# Altium PCB RT5728MainDriver20181215V0.01.PcbDoc (part 1 of 2)
Units mil, origin at the board's own origin, x right, y up, seen from the top; angles counter-clockwise.
Board outline 3937.01 x 2755.91 mil, 2 copper layers (Top Layer, Bottom Layer); 141 components, 77 nets, 350 pads, 543 vias.
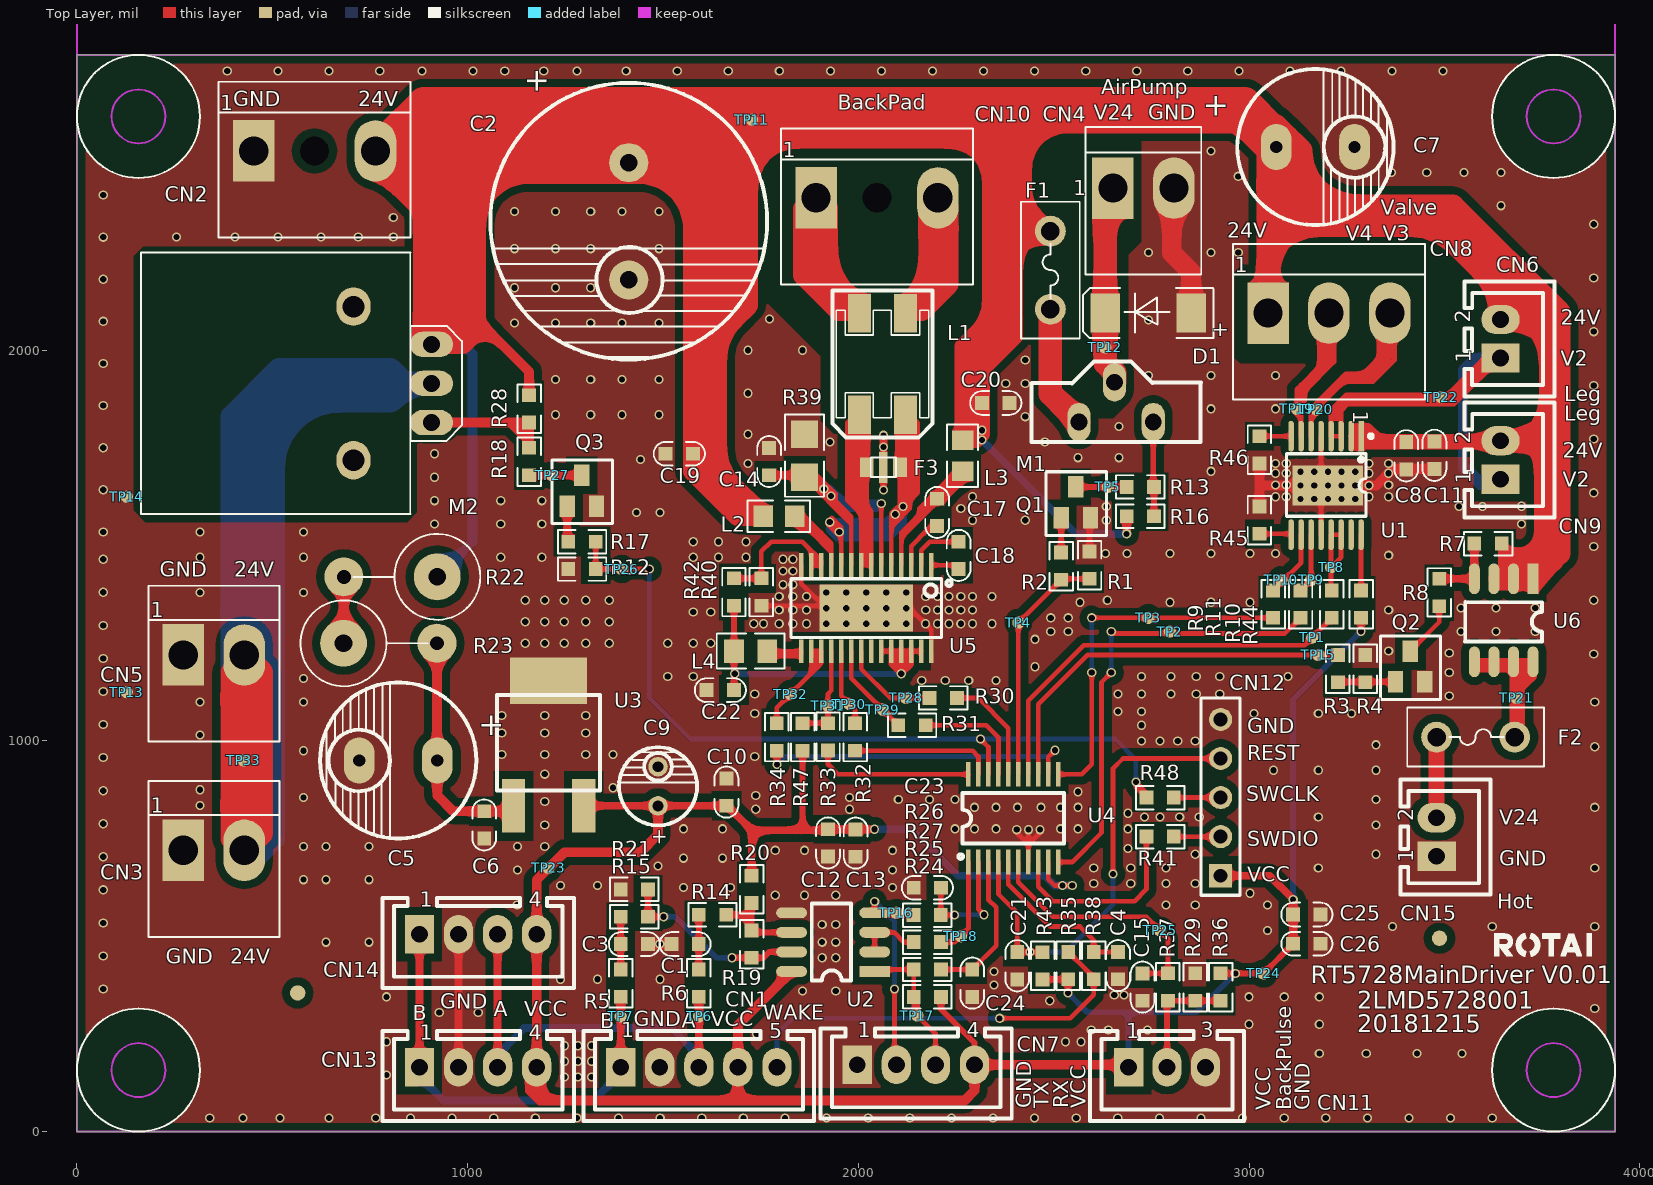
[diagram p0: Top Layer view]
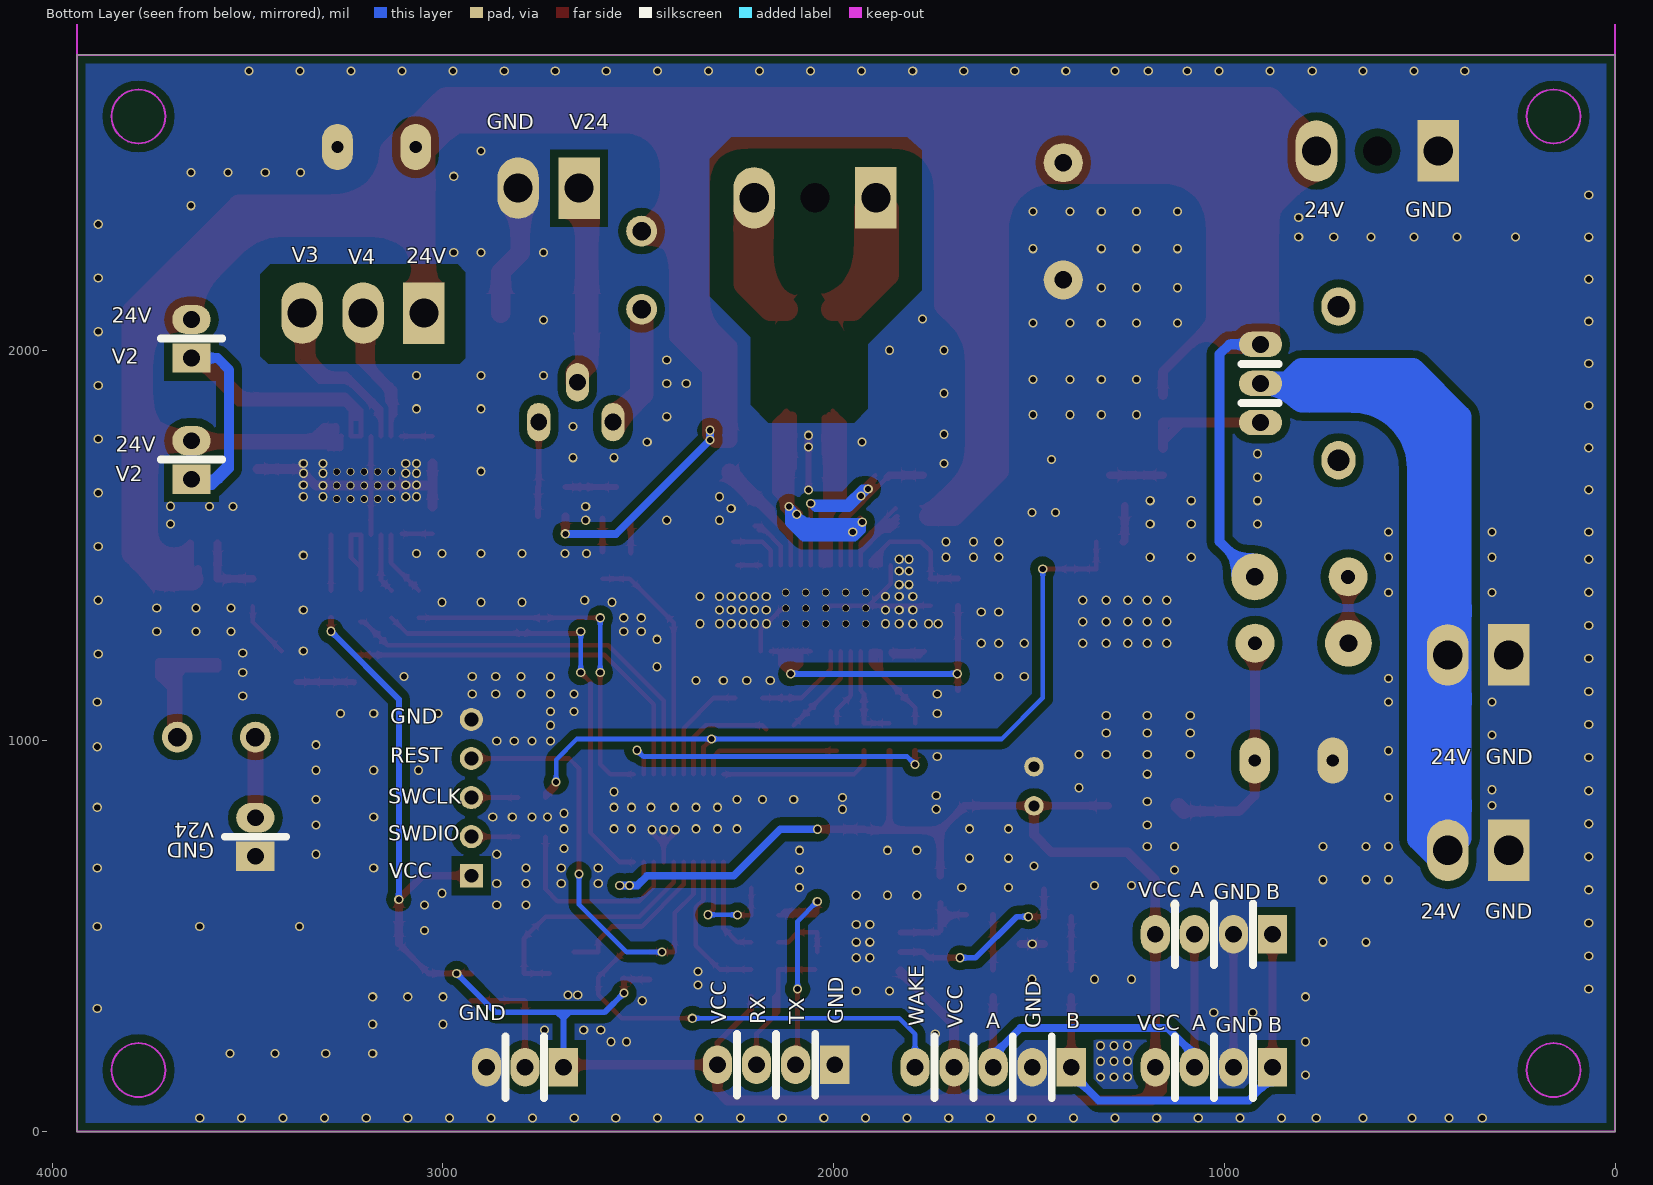
[diagram p1: Bottom Layer view, seen from below]

## Layer stack, top to bottom
Top Layer: signal copper 1.4
Dielectric: dielectric 12.6, FR-4, Dk 4.8
Bottom Layer: signal copper 1.4

## Board outline
0,0 3937.01,0 3937.01,2755.91 0,2755.91

## Design rules (kind name [scope] priority, off if disabled: settings)
Clearance PUTONG [INPolygon] p1: gap=20
Clearance ALL [All] p2: gap=10
ComponentClearance [(HasFootprint('Test Point'))] p1: gap=0 collisioncheckmode=3 verticalgap=0 showdistances=FALSE
ComponentClearance ComponentClearanceALL [All] p2: gap=10 collisioncheckmode=3 verticalgap=10 showdistances=FALSE
HoleToHoleClearance [IsVia] p1: gap=9 allowstackedmicrovias=TRUE
HoleToHoleClearance allll [All] p2: gap=10 allowstackedmicrovias=TRUE
MinimumSolderMaskSliver MinimumSolderMaskSliver_4 [InComponent('F3')] p1: minsoldermaskwidth=2
MinimumSolderMaskSliver MinimumSolderMaskSliver_3 [(HasFootprint('Test Point'))] p2: minsoldermaskwidth=2
MinimumSolderMaskSliver MinimumSolderMaskSliver_2 [InComponent('U1')] p3: minsoldermaskwidth=2
MinimumSolderMaskSliver MinimumSolderMaskSliver_1 [InComponent('U4')] p4: minsoldermaskwidth=5
MinimumSolderMaskSliver [InComponent('U5')] p5: minsoldermaskwidth=5
MinimumSolderMaskSliver MinimumSolderMaskSliverALL [All] p6: minsoldermaskwidth=10
PolygonConnect [All] p1: connectstyle=Direct reliefconductorwidth=10 reliefentries=4 polygonreliefangle="90 Angle"
RoutingVias [All] p1: holewidth=28 width=50 viastyle="Through Hole" minholewidth=28 minwidth=50 maxholewidth=28 maxwidth=50
SilkToSilkClearance [All] p1: silktosilkclearance=0
SilkscreenOverComponentPads SilkToSolderMaskClearance [IsPad] p1: minsilkscreentomaskgap=0
SolderMaskExpansion [All] p1: expansion=4
TestPointUsage FabricationTestPointUsage [All] p1: valid=0 allowmultiple=FALSE
Testpoint FabricationTestpoint [All] p1: side=3 testpointundercomponent=TRUE minsize=40 maxsize=100 preferedsize=60 minholesize=0 maxholesize=40 preferedholesize=32 testpointgrid=1 style=297 order=0123456789
Width [All] p1: maxlimit=100 minlimit=9 preferedwidth=10
19 further rules are at their usual default settings.

## Classes and differential pairs
component class RT5728MainDriver20181215V0.01: C1 C2 C3 C5 C6 C7 C8 C9 C10 C11 C12 C13 C14 C15 C17 C18 C19 C20 C21 C22 C23 C24 C25 C26 C36 CN1 CN2 CN3 CN4 CN5 CN6 CN7 CN8 CN9 CN10 CN11 CN12 CN13 CN14 CN15 D1 F1 F2 F3 L1 L2 L3 L4 L6 L7 M1 Q1 Q2 Q3 R1 R2 R3 R4 R5 R6 R7 R8 R9 R10 R11 R12 R13 R14 R15 R16 R17 R18 R19 R20 R21 R22 R23 R24 R25 R26 R27 R28 R29 R30 R31 R32 R33 R34 R35 R36 R37 R38 R39 R40 R41 R42 R43 R44 R45 R46 R47 R48 R49 R55 TP1 TP3 TP4 TP5 TP6 TP7 TP8 TP9 TP10 TP11 TP13 TP14 TP15 TP16 TP17 TP18 TP22 TP23 TP24 TP25 TP26 TP27 U1 U2 U3 U4 U5 U6

## Components (designator, comment, footprint, x,y, rotation, side; value= is the part's Value field where it differs from the comment)
C1 "100pF/10%/X7R/0603" 0603C 1591.81,480 r180 top
C2 "1000uF/50V" RB.3/.6 1412.44,2480 r270 top locked
C3 "100pF/10%/X7R/0603" 0603C 1461.81,480 r180 top
C4 "100pF/10%/X7R/0603" 0603C 2665,390 r90 top
C5 "470uF/50V" RB.2/.4 922.44,950 r180 top
C6 "100nF/0603" 0603C 1042.44,820 r270 top
C7 "470uF/50V" RB.2/.4 3070,2520 r0 top
C8 "100nF/0603" 0603C 3402.39,1764.85 r270 top
C9 "100uF/16V" RB.1/.2 1487.44,834 r90 top
C10 "100nF/0603" 0603C 1662.44,834 r90 top
C11 "100nF/0603" 0603C 3474.6,1766.11 r270 top
C12 "10uF/0603" 0603C 1922.44,704 r90 top
C13 "100nF/0603" 0603C 1993.19,773.5 r270 top
C14 "10uF/0603" 0603C 1771.81,1680 r90 top
C15 "100pF/0603" 0603C 2727.44,335 r90 top
C17 "100nF/0603" 0603C 2201.81,1620 r270 top
C18 "103/0603" 0603C 2256.81,1510 r270 top
C19 "100nF/0603" 0603C 1576.81,1735 r180 top
C20 "100nF/0603" 0603C 2316.81,1865 r0 top
C21 "10uF/0603" 0603C 2406.81,389.56 r90 top
C22 "1uF/0603" 0603C 1681.81,1130 r180 top
C23 "30pF/0603" 0603C 2211.81,624.25 r180 top
C24 "30pF/0603" 0603C 2291.81,345 r90 top
C25 "100nF/0603" 0603C 3112.93,555.75 r0 top
C26 "100nF/0603" 0603C 3112.93,480.75 r0 top
CN1 "HA-5A(白色)" HA-5A 1391.81,165 r0 top
CN2 "24V输入" "VH-3A2Z - red" 452.44,2510 r0 top
CN3 "24V输出" "VH-2 - RED" 272.44,720 r0 top
CN4 "气泵(白色)" VH-2 2651.81,2415 r0 top
CN5 "24V输出" "VH-2 - RED" 272.44,1220 r0 top
CN6 "小腿震动" HA-2A 3643.7,1980 r90 top
CN7 "串口通讯" HA-4A 1997.44,171 r0 top locked
CN8 "气阀" "VH-3 - white" 3048.7,2095 r0 top locked
CN9 "小腿震动" HA-2A 3643.7,1670 r90 top
CN10 "电动缸" "VH-3A2Z - white" 1891.81,2390 r0 top
CN11 "HA-3A(白色)" HA-3A 2691.81,165 r0 top
CN12 "烧录" SIP5 2927.44,655 r90 top
CN13 "485通讯" HA-4A 876.81,165 r0 top
CN14 "485通讯" HA-4A 876.81,505 r0 top
CN15 "加热" HA-2A 3480,705 r90 top
D1 "M7A/A-SMA" A-SMA 2851.81,2095 r180 top
F1 "PTCKT30-1350b-F" FRAD0.2 2491.81,2305 r270 top
F2 "PTCKT30-1350b-F" FRAD0.2 3480,1010 r0 top
F3 "101X15W103MV4T" 0805-X2Y 2021.81,1700 r0 top
L1 "TLDCM7161-2-501TF" L-TLDCM7161 2061.81,1965 r90 top
L2 "600A50T" 0805L 1836.81,1575 r180 top
L3 "600A50T" 0805L 2266.81,1690 r90 top
L4 "FBM-10-201209-751T" 0805 1766.81,1230 r180 top
M1 "IRF9530" TO-220AB 2656.81,1665 r180 top locked
M2 "IRF9530" TO-220S 907.44,1815 r90 top locked
Q1 "MMBT3904" SOT-23B 2556.81,1650 r0 top locked
Q2 "MMBT3904" SOT-23B 3412.44,1230 r0 top
Q3 "MMBT3904" SOT-23B 1292.44,1680 r0 top
R1 "33KΩ/0603/5%" 0603 2591.81,1415 r90 top
R2 "1KΩ/0603/5%" 0603 2519.17,1412.36 r90 top
R3 "1KΩ/0603/5%" 0603 3227.44,1220 r270 top
R4 "33K/0603" 0603 3297.44,1220 r270 top
R5 "10Ω/5%/0603" 0603 1391.81,345 r90 top
R6 "10Ω/5%/0603" 0603 1591.81,345 r90 top
R7 "33K/0603" 0603 3576.81,1505 r0 top
R8 "33K/0603" 0603 3486.81,1345 r90 top
R9 "1KΩ/0603/5%" 0603 3061.81,1315 r90 top
R10 "1KΩ/0603/5%" 0603 3211.81,1315 r90 top
R11 "1KΩ/0603/5%" 0603 3131.81,1315 r90 top
R12 "33KΩ/0603/5%" 0603 1327.88,1440 r180 top
R13 "4.7KΩ/0603/5%" 0603 2756.81,1650 r180 top
R14 "10Ω/5%/0603" 0603 1591.81,555 r0 top
R15 "10Ω/5%/0603" 0603 1391.81,550 r0 top
R16 "4.7KΩ/0603/5%" 0603 2756.81,1575 r180 top
R17 "1KΩ/0603/5%" 0603 1327.88,1510 r180 top
R18 "4.7KΩ/0603/5%" 0603 1157.44,1750 r270 top
R19 "100Ω/5%/0603" 0603 1726.81,445 r90 top
R20 "33KΩ/0603/5%" 0603 1726.81,585 r90 top
R21 "33KΩ/0603/5%" 0603 1391.81,620 r0 top
R22 "47Ω/2W" 2W-SMALL 922.44,1420 r180 top
R23 "47Ω/2W" 2W-SMALL 682.44,1250 r0 top
R24 "10KΩ/0603/5%" 0603 2211.81,345 r180 top
R25 "1KΩ/0603/5%" 0603 2141.81,415 r0 top
R26 "1KΩ/0603/5%" 0603 2141.37,554.25 r0 top
R27 "1KΩ/0603/5%" 0603 2141.81,485 r0 top
R28 "4.7KΩ/0603/5%" 0603 1157.44,1815 r90 top
R29 "10KΩ/0603/5%" 0603 2927.44,335 r90 top
R30 "1KΩ/0603/5%" 0603 2182.44,1110 r0 top
R31 "1KΩ/0603/5%" 0603 2102.44,1040 r0 top
R32 "1KΩ/0603/5%" 0603 1991.81,1045 r270 top
R33 "1KΩ/0603/5%" 0603 1922.56,1045.44 r270 top
R34 "1KΩ/0603/5%" 0603 1791.17,1044.96 r270 top
R35 "33KΩ/0603/5%" 0603 2537.44,460 r270 top
R36 "33K/0603" 0603 2862.44,405 r270 top
R37 "1KΩ/0603/5%" 0603 2792.44,335 r90 top
R38 "1KΩ/0603/5%" 0603 2602.44,390 r90 top
R39 "40mΩ/1206" 1206 1862.44,1785 r270 top
R40 "4.3KΩ/0603" 0603 1751.81,1346.1 r90 top
R41 "0Ω/0603/5%" 0603 2807.44,755 r180 top
R42 "10KΩ/0603/1%" 0603 1681.81,1346.1 r90 top
R43 "10KΩ/0603/5%" 0603 2471.81,389.56 r90 top
R44 "10KΩ/0603/5%" 0603 3286.81,1385 r270 top
R45 "10KΩ/0603/5%" 0603 3026.81,1600 r270 top
R46 "10KΩ/0603/5%" 0603 3026.81,1710 r90 top
R47 "10KΩ/0603/5%" 0603 1857.44,1045 r270 top
R48 "0Ω/0603/5%" 0603 2807.44,855 r180 top
TP1 "TP" "Test Point" 3161.81,1265 r90 top
TP2 "TP" "Test Point" 2797.44,1280 r90 top
TP3 "TP" "Test Point" 2742.44,1315 r90 top
TP4 "TP" "Test Point" 2409.76,1302.95 r90 top
TP5 "TP" "Test Point" 2638.81,1650 r90 top
TP6 "TP" "Test Point" 1592.44,295 r90 top
TP7 "TP" "Test Point" 1391.81,295 r90 top
TP8 "TP" "Test Point" 3210.04,1445 r90 top
TP9 "TP" "Test Point" 3158.86,1412.05 r90 top
TP10 "TP" "Test Point" 3082.44,1412 r90 top
TP11 "TP" "Test Point" 1727.44,2590 r90 top
TP12 "TP" "Test Point" 2631.81,2007 r90 top
TP13 "TP" "Test Point" 127.44,1125 r90 top
TP14 "TP" "Test Point" 127.44,1625 r90 top
TP15 "TP" "Test Point" 3177.44,1220 r90 top
TP16 "TP" "Test Point" 2097.44,560 r90 top
TP17 "TP" "Test Point" 2151.44,296.99 r90 top
TP18 "TP" "Test Point" 2262.44,500 r90 top
TP19 "TP" "Test Point" 3122.44,1850 r90 top
TP20 "TP" "Test Point" 3172.44,1848.58 r90 top
TP21 "TP" "Test Point" 3685,1110 r90 top
TP22 "TP" "Test Point" 3492.44,1880 r90 top
TP23 "TP" "Test Point" 1207.44,675 r90 top
TP24 "TP" "Test Point" 3037.19,405 r90 top
TP25 "TP" "Test Point" 2772.44,515 r90 top
TP26 "TP" "Test Point" 1395,1440 r180 top
TP27 "TP" "Test Point" 1216.44,1680 r180 top
TP28 "TP" "Test Point" 2122.44,1110 r90 top
TP29 "TP" "Test Point" 2062.44,1080 r90 top
TP30 "TP" "Test Point" 1977.44,1094.37 r90 top
TP31 "TP" "Test Point" 1922.44,1090 r90 top
TP32 "TP" "Test Point" 1826.81,1120 r90 top
TP33 "TP" "Test Point" 427.44,950 r90 top
U1 "PWM输入4通道低侧驱动器DRV8803" PWP16 3286.81,1780 r270 top locked
U2 "MAX3085E" SOP8 2041.81,410 r180 top
U3 "LM7805" TO-252 1117.44,834 r0 top
U4 "N76E003" TSSOP20 2281.81,690 r90 top
U5 "电流控制单H桥有刷马达驱动集成电路DRV8840" PWP28 2186.81,1450 r180 top
U6 "CJQ60Q05" SOP8 3726.81,1415 r270 top
? "LOGO" LOGO 3625,450 r0 top

## Footprints (in the part's own frame and the unit in brackets; to place one, negate y for a bottom-side part, rotate by r counter-clockwise, add the part's x,y. Pads: shape width x height; smd on the part's side, far side on the other; paste and mask are expansions set on the pad)
2W-SMALL [mil]
  round 120 hole 45: 1(0,0)
  round 100 hole 35.43: 2(239.21,0)
  silkscreen extent -110,-110 215,110, body extent -90,-98 222,99, height 799
0603 [mil]
  rect 35x35.43 smd: 1(0,0) 2(70,0)
  silkscreen extent -27,-30 97,30, body extent 2,-16 69,16, height 22
0603C [mm]
  rect 0.9x0.9 smd: 1(0,0) 2(1.778,0)
  silkscreen extent -0.77,-0.77 2.55,0.77, body extent 0.11,-0.4 1.71,0.4, height 0.3
0805 [mil]
  rect 50x60 smd: 1(0,0) 2(85,0)
  silkscreen extent -44,-45 129,45, body extent -3,-27 87,27, height 30
0805-X2Y [mm]
  rect 0.89x1.27 smd: 1(0,0) 2(2.16,0)
  rect 0.55x2.03 smd: 3(1.08,0)
  silkscreen extent 0.25,-0.64 1.91,0.64, body extent 0.08,-0.63 2.08,0.63, height 0.78
0805L [mil]
  rect 50x55 smd: 1(0,0) 2(80,0)
  silkscreen extent -40,-40 120,40, body extent 1,-24 79,24, height 32
1206 [mil]
  rect 70x70 smd: 1(0,0) 2(110,0)
  silkscreen extent -50,-50 160,50, body extent -11,-34 121,34, height 33
A-SMA [mil]
  rect 75x100 smd: A(0,0) K(220,0)
  silkscreen extent -58,-64 276,64, body extent 8,-51 212,51, height 95
FRAD0.2 [mm]
  round 2 hole 1.2: 1(0,0) 2(5.08,0)
  silkscreen extent -1.9,-1.91 6.99,1.9, body extent -1.16,-0.89 6.24,0.81, height 16.5
HA-2A [mm]
  rect 1.905x2.5 hole 1.092: 1(0,0)
  oval 1.905x2.5 hole 1.092: 2(2.5,0)
  silkscreen extent -2.5,-3.5 4.98,2.35, body extent -2.45,-3.33 4.95,2.42, height 7
HA-3A [mm]
  rect 1.905x2.5 hole 1.092: 1(0,0)
  oval 1.905x2.5 hole 1.092: 2(2.5,0) 3(5,0)
  silkscreen extent -2.5,-3.5 7.5,2.35, body extent -2.43,-3.33 7.47,2.42, height 7
HA-4A [mm]
  rect 1.905x2.5 hole 1.092: 1(0,0)
  oval 1.905x2.5 hole 1.092: 2(2.54,0) 3(5.08,0) 4(7.62,0)
  silkscreen extent -2.39,-3.5 10.04,2.35, body extent -2.4,-3.33 10,2.43, height 7
HA-5A [mm]
  rect 1.905x2.5 hole 1.092: 1(0,0)
  oval 1.905x2.5 hole 1.092: 2(2.54,0) 3(5.08,0) 4(7.62,0) 5(10.16,0)
  silkscreen extent -2.42,-3.5 12.58,2.35, body extent -2.42,-3.33 12.47,2.43, height 7
L-TLDCM7161 [mm]
  rect 2.5x1.5 smd: 1(-3.3,-1.5) 2(-3.3,1.5) 3(3.3,1.5) 4(3.3,-1.5)
  silkscreen extent -4.78,-3.25 4.78,3.25, body extent -3.5,-3 3.5,3, height 3.5
LOGO [mil]
  silkscreen extent 2,-1 252,58
PWP16 [mm]
  rect 2x0.35 smd: 1(0,0)
  oval 2x0.35 smd: 2(0,-0.65) 3(0,-1.3) 4(0,-1.95) 5(0,-2.6) 6(0,-3.25) 7(0,-3.9) 8(0,-4.55) 9(6.4,-4.55) 10(6.4,-3.9) 11(6.4,-3.25) 12(6.4,-2.6) 13(6.4,-1.95) 14(6.4,-1.3) 15(6.4,-0.65) 16(6.4,0)
  rect 2.6x4.572 smd: 12(3.2,-2.159)
  silkscreen extent -0.13,-4.86 5.21,0.76, body extent -0.7,-5.38 7.1,0.82
PWP28 [mm]
  rect 0.3x1.55 smd: 1(0,0) 2(0.65,0) 3(1.3,0) 4(1.95,0) 5(2.6,0) 6(3.25,0) 7(3.9,0) 8(4.55,0) 9(5.2,0) 10(5.85,0) 11(6.5,0) 12(7.15,0) 13(7.8,0) 14(8.45,0) 15(8.45,5.6) 16(7.8,5.6) 17(7.15,5.6) 18(6.5,5.6) 19(5.85,5.6) 20(5.2,5.6) 21(4.55,5.6) 22(3.9,5.6) 23(3.25,5.6) 24(2.6,5.6) 25(1.95,5.6) 26(1.3,5.6) 27(0.65,5.6) 28(0,5.6)
  rect 6.096x3.048 smd: 28(4.225,2.8)
  silkscreen extent -1.33,0.89 9.13,4.71, body extent -0.67,-0.51 9.12,6.11, height 1.2
RB.1/.2 [mil]
  round 50 hole 28: 1(0,0) 2(100,0)
  silkscreen extent -50,-100 150,100, body extent -49,-99 147,97, height 433
RB.2/.4 [mm]
  oval 2x3 hole 0.8: 1(0,0) 2(5.08,0)
  silkscreen extent -2.54,-5.08 7.62,5.08, body extent -2.41,-5.08 7.64,4.97, height 20.53
RB.3/.6 [mil]
  round 100 hole 45: 1(0,0) 2(300,0)
  silkscreen extent -204,-354 504,354, body extent -167,-315 463,315, height 1024
SIP5 [mm]
  rect 1.5x1.5 hole 0.9: 1(0,0)
  round 1.5 hole 0.9: 2(2.54,0) 3(5.08,0) 4(7.62,0) 5(10.16,0)
  silkscreen extent -1.27,-1.27 11.56,1.27, body extent -1.22,-1.46 11.48,1.46, height 8.51
SOP8 [mm]
  rect 2x0.7 smd: 1(0,0)
  oval 2x0.7 smd: 2(0,-1.27) 3(0,-2.54) 4(0,-3.81) 5(5.4,-3.81) 6(5.4,-2.54) 7(5.4,-1.27) 8(5.4,0)
  silkscreen extent 1.52,-4.42 4.09,0.6, body extent -0.32,-4.41 5.72,0.61, height 1.6
SOT-23B [mm]
  rect 1x1.4 smd: B(-0.95,-2) C(0,0) E(0.95,-2)
  silkscreen extent -1.93,-3.15 1.98,0.99, body extent -1.5,-2.34 1.5,0.16, height 1.05
"Test Point" [mm]
  round 0.8 smd: 1(0,0)
TO-220AB [mil]
  oval 59.05x98.42 hole 43: D(1,-253) S(92,-151)
  oval 59.06x98.42 hole 43: G(-98,-151)
  silkscreen extent -220,-306 214,-100, body extent -208,-359 202,-33, height 98
TO-220S [mm]
  oval 1.651x2.794 hole 1.1: 1(0,0) 2(2.54,0) 3(5.08,-0.005)
  oval 2.5x2.2 hole 1.4: 4(-2.451,5.066) 5(7.536,5.066)
  silkscreen extent -5.96,-1.99 11.04,18.87, body extent -5.96,-2.02 11.04,18.79, height 25
TO-252 [mm]
  rect 1.524x3.5 smd: 1(0,0) 3(4.57,0)
  rect 5x3 smd: 2(2.27,8.125)
  silkscreen extent -1.08,1 5.62,7.2, body extent -0.98,-1.7 5.56,8.24, height 2.39
TSSOP20 [mm]
  rect 1.6x0.3 smd: 1(0,0) 2(0,-0.65) 3(0,-1.3) 4(0,-1.95) 5(0,-2.6) 6(0,-3.25) 7(0,-3.9) 8(0,-4.55) 9(0,-5.2) 10(0,-5.85) 11(5.7,-5.85) 12(5.7,-5.2) 13(5.7,-4.55) 14(5.7,-3.9) 15(5.7,-3.25) 16(5.7,-2.6) 17(5.7,-1.95) 18(5.7,-1.3) 19(5.7,-0.65) 20(5.7,0)
  silkscreen extent 0.21,-6.23 4.5,0.66, body extent -0.45,-6.23 6.15,0.37, height 1.2
VH-2 [mm]
  rect 2.7x4 hole 1.9: 1(0,0)
  oval 2.7x4 hole 1.9: 2(3.96,0)
  silkscreen extent -1.78,-5.62 5.74,3.98, body extent -1.92,-4.63 5.94,3.87, height 10.9
"VH-2 - RED" [mm]
  rect 2.7x4 hole 1.9: 1(0,0)
  oval 2.7x4 hole 1.9: 2(3.96,0)
  silkscreen extent -2.25,-5.62 6.25,4.5, body extent -2,-5.54 6,2.97, height 10.64
"VH-3 - white" [mm]
  rect 2.7x4 hole 1.9: 1(0,0)
  oval 2.7x4 hole 1.9: 2(3.96,0) 3(7.92,0)
  silkscreen extent -2.29,-5.62 10.21,4.5, body extent -2.04,-5.54 9.96,2.98, height 10.64
"VH-3A2Z - red" [mm]
  rect 2.7x4 hole 1.9: 1(0,0)
  round 0 hole 1.9: 2(3.96,0)
  oval 2.7x4 hole 1.9: 3(7.92,0)
  silkscreen extent -2.29,-5.62 10.21,4.5, body extent -2.04,-5.54 9.96,2.98, height 10.64
"VH-3A2Z - white" [mm]
  rect 2.7x4 hole 1.9: 1(0,0)
  round 0 hole 1.9: 2(3.96,0)
  oval 2.7x4 hole 1.9: 3(7.92,0)
  silkscreen extent -2.29,-5.62 10.21,4.5, body extent -2.04,-5.54 9.96,2.98, height 10.64

## Part data
C1 C3 C4: library part 贴片电容100pF/(10%)X7R/0603封装/环保
C2: library part 电解电容1000uF/50V/16*26/环保
C5 C7: library part 电解电容470uF/50V/10*20/编带/环保
C6 C8 C10 C11 C13 C17 C19 C20 C25 C26: library part 贴片电容100nF（104M）/50V/0603封装/10%/X7R/环保
C9: library part 电解电容100uF/16V/5*11/编带/环保
C12 C14 C21: library part 贴片电容106/10uF/6.3V/0603封装/10%/X5R/环保
C15: library part 贴片电容100pF/50V/0603封装/5%/NPO/环保
C18: library part 贴片电容103/(10%)/X7R/0603封装/环保
C22: library part 贴片电容105M/1uF/16V/0603封装/20%/X5R/环保
C23 C24: library part 贴片电容30pF/50V/0603封装/5%/NPO/环保
CN1: library part 带勾小直脚HA-5A/白色/环保
CN2: library part 大直脚VH-3A2Z(红色)/环保
CN3 CN5: library part 大直脚VH-2A(红色)/环保
CN4: library part 大直脚VH-2A(白色)/环保
CN6 CN9: library part 带勾小直脚HA-2A(白色)/环保
CN7: library part 带勾小直脚HA-4A(蓝色)/环保
CN8: library part 大直脚VH-3A(白色)/环保
CN10: library part 大直脚VH-3A2Z(白色)/环保
CN11: library part "带勾小直脚HA-3A (白色）/环保"
CN12: library part 单排5芯直脚排针/2.54间距, "2.54间距"
CN13: library part 带勾小直脚HA-4A(黑色)/环保
CN14: library part 带勾小直脚HA-4A(黄色)/环保
CN15: library part 带勾小直脚HA-2A(红色)/环保
D1: library part 贴片二极管M7A/A-SMA封装/环保
F1 F2: library part 自恢复保险PTCKT30-1350b-F/环保
F3: library part X2Y电容101X15W103MV4T
L1: library part 共模电感/TLDCM7161-2-501TF/环保
L2 L3: library part 贴片磁珠/FBMA-11-201209-600A50T/0805A封装/环保/EMC
L4: library part 贴片磁珠/FBM-10-201209-751T/0805封装/环保
M1 M2: library part 场效应管(MOS管)IRF9530/环保
Q1 Q2 Q3: library part 贴片三极管1AM/MMBT3904/sot-23封装环保
R1 R12 R20 R21 R35: library part 贴片电阻33K/(5%)/0603封装/环保
R2 R3 R9 R10 R11 R17 R25 R26 R27 R30 R31 R32 R33 R34 R37 R38: library part 贴片电阻1K/(5%)/0603封装/环保
R4 R7 R8 R36: library part R0603/33K
R5 R6 R14 R15: library part 贴片电阻10Ω/精度5%/0603
R13 R16 R18 R28: library part 贴片电阻4.7K/(5%)/0603封装/环保
R19: library part 贴片电阻100Ω/(5%)0603
R22 R23: library part 电阻47Ω/2W/环保
R24 R29 R43 R44 R45 R46 R47: library part 贴片电阻10kΩ/(5%)0603封装/环保
R39: library part 贴片采样电阻/40mΩ/1206/1W/1%/环保
R40: library part 贴片电阻4.3KΩ/1%/00603封装/环保
R41 R48: library part 贴片电阻0Ω/(5%)/0603封装/环保
R42: library part 贴片电阻10kΩ(1%)/0603封装/环保
U2: library part 贴片集成块MAX3085E
U3: library part 贴片三端稳压管LM7805/环保
U4: library part 单片机/新唐-N76E003/TSSOP-20封装/环保
U6: library part AO4441, "P沟道MOS管"
?: library part ROTAI_LOGO

## Free pads (board coordinates)
  round 39.37 smd: 0(3487.44,495) 0(3487.44,3250.91) 1(565,355) 1(565,3110.91)

## Via types
v1: diameter 23.62, hole 15.75, Top Layer to Bottom Layer, tented both sides, 513 vias
v2: diameter 19.68, hole 15.75, Top Layer to Bottom Layer, tented both sides, 30 vias

## Nets (pads, with @x,y where several pads share a name; then routed paths per layer and width w, separated by ;. In a path a pad name is that pad's centre, name@x,y a point inside that pad or via, vN(x,y) a via of type N, cw(c..) or ccw(c..) an arc to the next point about the centre after c; other vN are vias at no path point)
485A: R14.2 R19.2 R20.1 U2.6 | length 331.4
  Top Layer w15: R14.2@1661.81,555 1696.81,555 ; R19.2@1726.81,515 R19.2@1726.81,525 ; R20.1@1726.81,585 R20.1@1726.81,575 ; R19.2@1731.81,510 U2.6@1829.21,510 ; 1696.81,555 R19.2@1726.81,525 ; 1696.81,555 1706.81,555 ; 1706.81,555 R20.1@1726.81,575 ; 1706.81,555 1726.81,555 ; 1706.81,555 1726.81,535 ; R19.2@1726.81,525 1726.81,535 ; 1726.81,535 1726.81,555 ; 1726.81,555 R20.1@1726.81,575
485B: R15.2 R19.1 R21.2 U2.7 | length 487.1
  Top Layer w15: R21.2@1461.81,620 R15.2@1461.81,550 v1(1501.81,550) ; v1(1676.81,445) R19.1@1726.81,445 1756.81,445 1771.81,460 U2.7@1829.21,460
  Bottom Layer w15: v1(1501.81,550) 1531.81,550 1636.81,445 v1(1676.81,445)
A: CN1.3 CN13.3 CN14.3 R6.1 TP6.1 | length 1154.7
  Top Layer w20: CN13.3@1076.81,165 CN14.3@1076.81,505 ; CN1.3@1591.81,165 R6.1@1591.81,345
  Bottom Layer w20: CN13.3@1076.81,165 1076.81,197.21 1144.6,265 1522.44,265 1591.81,195.63 CN1.3@1591.81,165
AIRPUMP: R1.1 R2.1 TP4.1 U4.15 | length 613.3
  Top Layer w12: U4.15@2409.76,914.41 TP4.1@2409.76,1302.95 R2.1@2519.17,1412.36 ; R2.1@2521.81,1415 R1.1@2591.81,1415
B: CN1.1 CN13.1 CN14.1 R5.1 TP7.1 | length 1128.8
  Top Layer w20: CN13.1@876.81,165 CN14.1@876.81,505 ; CN1.1@1391.81,165 R5.1@1391.81,345
  Bottom Layer w20: CN13.1@876.81,165 876.81,140.63 937.44,80 1322.44,80 1391.81,149.37 CN1.1@1391.81,165
BACKPULSE: C15.2 R37.2 TP25.1 U4.6 | length 648.8
  Top Layer w12: U4.6@2409.76,690 2409.76,638.16 2497.92,550 2737.44,550 TP25.1@2772.44,515 2792.44,495 R37.2@2792.44,405 C15.2@2727.44,405
GND: C1.2 C2.2 C3.1 C4.1 C5.2 C6.2 C7.2 C8.2 C9.2 C10.2 C11.2 C12.1 C13.2 C14.2 C15.1 C19.2 C20.2 C21.1 C22.2 C23.2 C24.1 C25.2 C26.2 CN1.2 CN2.1 CN3.1 CN4.2 CN5.1 CN7.1 CN11.3 CN12.5 CN13.2 CN14.2 CN15.1 D1.A F3.3 Q1.E Q2.E Q3.E R1.2 R4.1 R12.2 R21.1 R36.1 R39.1 R40.1 R45.1 R46.1 TP13.1 TP14.1 U1.5 U1.12 U2.5 U3.2 U4.7 U5.14 U5.28 | length 2482.6
  Top Layer w12: R40.1@1751.81,1346.1 U5.28@1910.71,1346.1 ; U5.14@1854.13,1450 1854.13,1402.68 U5.28@1910.71,1346.1 ; U5.28@1917.05,1339.76 U5.28@1910.71,1346.1 ; U5.28@2014.14,1346.1 U5.28@1910.71,1346.1 ; U5.28@2132.05,1339.76 2186.81,1285 U5.28@2186.81,1229.53 ; v1(2405.35,772.91) 2405.35,765 2435.35,735 ; U4.7@2435.35,690 2435.35,735 ; v1(2435.35,772.91) 2435.35,735 ; v1(2465.35,772.91) 2465.35,765 2435.35,735 ; U1.12@3184.45,1528.03 U1.12@3184.45,1652.01 ; U1.12@3184.45,1671.38 U1.5@3184.45,1780
  Top Layer w15: v1(2064.33,1642.52) F3.3@2064.33,1700 v1(2064.33,1752.48) ; R1.2@2591.81,1485 Q1.E@2591.81,1568.86
  Top Layer w20: CN13.2@976.81,165 CN14.2@976.81,505 ; C3.1@1461.81,480 C1.2@1521.81,480 ; v1(2064.33,1752.48) v1(2064.33,1782.11)
  Top Layer w25: R45.1@3026.81,1600 R46.1@3026.81,1710 ; 3030.83,1654.02 v2(3131.81,1654.02) v2(3166.81,1654.02) v2(3201.81,1654.02) v2(3236.81,1654.02) v2(3271.81,1654.02) 3325.83,1654.02 3367.92,1696.11 C11.2@3474.6,1696.11
  Top Layer w50: CN4.2@2811.81,2410.91 2802.44,2401.54 2802.44,2249.37 2851.81,2200 D1.A@2851.81,2095
  other v1: 340,35 425,35 520,35 645,35 765,35 853.92,35 960.4,35 1066.89,35 1173.37,35 1279.85,35 1386.33,35 1492.81,35 1599.29,35 1705.77,35 1812.25,35 1918.74,35 2025.22,35 2131.7,35 2238.18,35 2344.66,35 2451.14,35 2557.62,35 2664.11,35 2770.59,35 2877.07,35 2983.55,35 3090.03,35 3196.51,35 3302.99,35 3409.48,35 3515.96,35 3622.44,35 1247.95,140 1282.44,140 1317.44,140 792.44,145 1247.95,180 1282.44,180 1317.44,180 3180,200 3300,200 3430,200 3545,200 1247.95,220 1282.44,220 1317.44,220 792.44,230 2530,230 2570,230 1740,250 2596.32,260.46 2640,260 2740,260 3000,275 3180,275 927.44,305 1027.44,305 3885,315 2490,335 792.44,345 3000,345 3090,345 3180,345 2655,350 2680,350 1857.44,360 1942.44,360 67.44,365 2347.44,375 1237.44,390 1332.44,390 1492.44,390 2347.44,410 1907.44,445 1942.44,445 67.44,449.62 1491.81,480 637.44,485 747.44,485 1907.44,485 1942.44,485 3047.44,515 3367.44,525 3622.44,525 3885,525 1907.44,530 1942.44,530 67.44,534.23 1126.81,580 2787.44,580 2862.44,580 3047.44,580 1787.44,605 1862.44,605 1942.44,605 3002.44,610 67.44,618.85 1552.44,625 1672.44,625 2087.44,625 1237.44,630 1332.44,630 2602.44,635 2697.44,635 2787.44,635 2862.44,635 580,645 637.44,645 747.44,645 1127.44,670 2087.44,670 2602.44,675 2697.44,675 2787.44,675 3177.44,675 3885,675 1487.44,680 1552.44,700 1652.44,700 67.44,703.46 2862.44,710 3325,710 1787.44,720 1862.44,720 2087.44,720 2690,725 580,730 637.44,730 747.44,730 1127.44,730 1197.44,730 1552.44,775 1652.44,775 2247.44,775 2297.44,775 2352.44,775 2517.44,775 2562.44,775 2690,775 1197.44,785 3325,785 67.44,788.08 2732.44,805 2772.44,805 2822.44,805 2872.44,805 3177.44,805 2690,815 1737.44,825 1977.44,825 2297.44,830 2352.44,830 2407.44,830 2467.44,830 2517.44,830 2562.44,830 3885,830 315,835 1197.44,845 2102.44,850 2182.44,850 2247.44,850 3325,850 580,855 1977.44,855 1737.44,860 2562.44,870 67.44,872.69 315,875 1372.44,880 1197.44,915 3062.44,925 3177.44,925 3325,925 67.44,957.31 1735,960 1087.44,965 1197.44,965 1302.44,965 1372.44,965 580,975 3885,985 3325,990 2725,1000 2772.44,1000 2817.44,1000 2862.44,1000 315,1015 1087.44,1020 1197.44,1020 1302.44,1020 2725,1040 67.44,1041.92 1087.44,1065 1197.44,1065 1302.44,1065 1735,1070 3012.44,1070 3177.44,1070 3262.44,1070 2665,1075 2725,1075 315,1100 580,1100 3885,1100 3512.44,1115 1735,1120 2665,1120 2725,1120 2800,1120 2865,1120 2925,1120 67.44,1126.54 2162.44,1155 2222.44,1155 2282.44,1155 2352.44,1155 580,1160 1512.44,1165 1577.44,1165 2725,1165 2800,1165 2865,1165 2925,1165 3100,1165 3512.44,1175 2452.44,1190 67.44,1211.15 3882.44,1222.5 3512.44,1225 3357.44,1230 1147.44,1250 1197.44,1250 1247.44,1250 1302.44,1250 1362.44,1250 1512.44,1250 1577.44,1250 1622.44,1250 2452.44,1260 2492.44,1280 2537.44,1280 3542.44,1280 3632.44,1280 3732.44,1280 67.44,1295.77 1732.44,1300 1757.44,1300 1797.44,1300 1832.44,1300 1867.44,1300 2171.81,1300 2202.44,1300 2232.44,1300 2262.44,1300 2292.44,1300 2342.44,1300 1147.44,1305 1197.44,1305 1247.44,1305 1302.44,1305 1362.44,1305 2492.44,1315 2537.44,1315 1577.44,1330 1622.44,1330 1797.44,1335 1832.44,1335 1867.44,1335 2172.44,1335 2202.44,1335 2232.44,1335 2262.44,1335 2292.44,1335 3357.44,1335 3542.44,1340 3632.44,1340 3732.44,1340 2567.44,1355 2797.44,1355 2902.44,1355 3002.44,1355 1147.44,1360 1197.44,1360 1247.44,1360 1302.44,1360 1362.44,1360 2637.44,1360 3882.44,1360 1797.44,1370 1832.44,1370 1867.44,1370 2172.44,1370 2202.44,1370 2232.44,1370 2262.44,1370 2292.44,1370 2342.44,1370 67.44,1380.38 315,1380 580,1380 1807.44,1400 1832.44,1400 1807.44,1435 1832.44,1435 67.44,1465 1807.44,1465 1832.44,1465 315,1470 580,1470 1085,1470 1190,1470 1577.44,1470 1642.44,1470 1712.44,1470 3357.44,1475 2632.44,1480 2687.44,1480 2797.44,1480 2902.44,1480 3002.44,1480 3067.44,1480 3882.44,1497.5 1577.44,1510 1642.44,1510 1712.44,1510 67.44,1535 315,1535 580,1535 915,1555 1085,1555 1190,1555 3697.44,1555 2292.44,1565 2427.44,1565 2634.81,1565 1432.44,1585 1492.44,1585 2262.44,1595 2634.81,1600 3537.44,1600 3597.44,1600 3697.44,1600.71 915,1615 1085,1615 1190,1615 2292.44,1625 3067.44,1625 3095.45,1625 3307.44,1625 3357.44,1625 3882.44,1635 67.44,1642.78 3307.44,1654.02 3067.44,1655 3095.45,1655 3357.44,1655 915,1675 3067.44,1685 3095.45,1685 3307.44,1685 3356.81,1685 2902.44,1690 1717.44,1710 3067.44,1710 3095.45,1710 3307.44,1710 3357.44,1710 1442.44,1720 2562.44,1725 2667.44,1725 915,1735 67.44,1750.56 1927.44,1765 2477.44,1765 3882.44,1772.5 1717.44,1785 2667.44,1805 2427.44,1830 1225,1835 1315,1835 1395,1835 1490,1835 2902.44,1850 3067.44,1850 67.44,1858.33 1717.44,1890 3882.44,1910 2377.44,1915 2427.44,1915 1225,1925 1315,1925 1395,1925 1490,1925 2742.44,1935 2902.44,1935 3067.44,1935 67.44,1966.11 2427.44,1975 1717.44,2000 1857.44,2000 3882.44,2047.5 1120,2070 1225,2070 1315,2070 1395,2070 1490,2070 67.44,2073.89 2742.44,2077.36 1772.44,2080 1120,2160 1225,2160 1315,2160 67.44,2181.67 3882.44,2185 2742.44,2250 2902.44,2250 2972.44,2250 1120,2260 1225,2260 1315,2260 1490,2260 67.44,2289.44 255,2290 405,2290 515,2290 625,2290 720,2290 810,2290 3882.44,2322.5 810,2340 1120,2355 1225,2355 1315,2355 1395,2355 1490,2355 3645,2370 67.44,2397.22 2972.44,2445 3365,2455 3455,2455 3550,2455 3645,2455 2902.44,2510 385,2715 515,2715 645,2715 775,2715 883.12,2715 1013.8,2715 1095,2715 1195,2715 1280,2715 1405.85,2715 1536.53,2715 1667.21,2715 1797.89,2715 1928.58,2715 2059.26,2715 2189.94,2715 2320.62,2715 2451.3,2715 2581.98,2715 2712.67,2715 2843.35,2715 2974.03,2715 3104.71,2715 3235.39,2715 3366.07,2715 3496.76,2715
  other v2: 1918.11,1299.76 1969.29,1299.76 2020.47,1299.76 2071.65,1299.76 2122.83,1299.76 1918.11,1339.76 1969.29,1339.76 2020.47,1339.76 2071.65,1339.76 2122.83,1339.76 1918.11,1379.76 1969.29,1379.76 2020.47,1379.76 2071.65,1379.76 2122.83,1379.76 3131.81,1619.02 3166.81,1619.02 3201.81,1619.02 3236.81,1619.02 3271.81,1619.02 3131.81,1689.02 3166.81,1689.02 3201.81,1689.02 3236.81,1689.02 3271.81,1689.02
HOT: R3.1 TP15.1 U4.13 | length 998
  Top Layer w12: U4.13@2460.94,914.41 2460.94,1093.5 2587.44,1220 R3.1@3227.44,1220
KNEAD_DECAY: R32.2 U4.19 | length 367.4
  Top Layer w12: R32.2@1991.81,975 2292.44,975 2307.4,960.04 U4.19@2307.4,914.41
KNEAD_ENBL: R30.2 U4.16 | length 282
  Top Layer w12: R30.2@2252.44,1110 2306.81,1110 2384.17,1032.64 U4.16@2384.17,914.41
KNEAD_FAULT: R33.2 U4.20 | length 405.4
  Top Layer w12: R33.2@1922.56,975.44 1922.56,939.88 1948.03,914.41 U4.20@2281.81,914.41
KNEAD_PHASE: R31.2 U4.17 | length 297.6
  Top Layer w12: R31.2@2172.44,1030 2182.44,1040 2327.44,1040 2358.58,1008.86 U4.17@2358.58,914.41
KNEAD_RESET: R34.2 U4.12 | length 830.4
  Top Layer w12: U4.12@2486.53,914.41 2486.53,959.09 v1(2503.44,976)
  Top Layer w15: R34.2@1791.17,974.96 1791.81,974.32 v1(1791.81,940)
  Bottom Layer w12: v1(1791.81,940) 1811.81,960 2487.44,960 v1(2503.44,976)
KNEADDECAY: R32.1 TP30.1 U5.19 | length 199.2
  Top Layer w12: U5.19@1956.5,1229.53 1956.5,1115.31 1991.81,1080 R32.1@1991.81,1045
KNEADENBL: R30.1 TP28.1 U5.21 | length 250.9
  Top Layer w12: U5.21@2007.68,1229.53 2007.68,1184.13 2081.81,1110 R30.1@2182.44,1110
KNEADFAULT: R33.1 R47.1 TP31.1 U5.18 | length 252.8
  Top Layer w12: R47.1@1857.44,1045 1857.88,1045.44 R33.1@1922.56,1045.44 1922.56,1120.75 1930.91,1129.09 U5.18@1930.91,1229.53
KNEADOUT: F3.1 L1.2 U5.7 U5.8 | length 2339.9
  Top Layer w12: L1.2@2002.76,1845.08 L1.2@2001.81,1844.13 ; L1.2@2011.81,1836.02 2011.81,1610 2021.81,1600 ; 2021.81,1453.23 2021.81,1600 ; 2021.81,1735 F3.1@2021.81,1700 2021.81,1600 ; 1971.81,1625 1981.81,1615 ; 1971.81,1625 1971.81,1814.13 L1.2@1981.81,1824.13 ; 1971.81,1625 1971.81,1615.87 2007.68,1580 ; 1981.81,1615 L1.2@1981.81,1824.13 ; 1981.81,1615 2007.68,1589.13 2007.68,1580 ; L1.2@1981.81,1824.13 L1.2@1986.81,1829.13 ; L1.2@1986.81,1829.13 1986.81,1620 1994.31,1612.5 ; L1.2@1986.81,1829.13 L1.2@1994.31,1836.63 ; 1994.31,1612.5 2001.81,1605 ; 1994.31,1612.5 L1.2@1994.31,1836.63 ; L1.2@1994.31,1836.63 L1.2@2001.81,1844.13 ; 2001.81,1605 2016.81,1590 2016.81,1450 ; 2001.81,1605 L1.2@2001.81,1844.13 ; 2007.68,1580 U5.8@2007.68,1450 2016.81,1450 ; 2016.81,1450 U5.7@2033.27,1450 2033.27,1588.54 2021.81,1600
  Top Layer w20: 2021.81,1735 L1.2@2021.81,1826.02
KNEADOUT1: F3.2 L1.1 U5.5 U5.10 | length 2904.6
  Top Layer w12: v1(1926.81,1560) v1@1921.81,1555 ; v1@1926.81,1566.09 1931.81,1571.09 1956.5,1546.41 v1@1956.5,1534.69 ; U5.10@1956.5,1450 1956.5,1520.31 ; U5.5@2084.45,1450 2084.45,1547.64 ; F3.2@2106.85,1700 v1@2106.85,1604.76 ; v1@2116.81,1592.36 2106.85,1582.4 ; v1@2116.81,1602.36 v1(2114.45,1600) v1@2106.85,1592.4 ; L1.1@2116.81,1841.02 2116.81,1614.72 v1@2106.85,1604.76 ; L1.1@2120.87,1845.08 L1.1@2131.81,1834.13 ; L1.1@2121.81,1836.02 2121.81,1585 ; v1@1921.81,1555 1956.5,1520.31 ; v1@1921.81,1555 1936.18,1555 1946.18,1545 v1@1956.5,1534.69 ; 1956.5,1520.31 v1@1956.5,1534.69 ; 2084.45,1547.64 2106.85,1570.04 ; 2084.45,1547.64 2084.45,1560 ; 2084.45,1560 2106.85,1582.4 ; 2084.45,1560 2084.45,1570 ; 2084.45,1570 2084.45,1582.36 v1@2106.85,1604.76 ; 2084.45,1570 v1(2094.45,1580) v1@2106.85,1592.4 ; 2106.85,1570.04 2106.85,1582.4 ; 2106.85,1570.04 2121.81,1585 ; 2106.85,1582.4 v1@2106.85,1592.4 ; v1@2106.85,1592.4 v1@2106.85,1604.76 ; 2121.81,1585 2131.81,1595 2131.81,1615 ; 2131.81,1615 2141.81,1625 ; 2131.81,1615 L1.1@2131.81,1834.13 ; L1.1@2131.81,1834.13 L1.1@2141.81,1824.13 ; 2141.81,1625 L1.1@2141.81,1824.13 ; 2141.81,1625 2151.81,1635 2151.81,1814.13 L1.1@2141.81,1824.13
  Top Layer w25: F3.2@2106.85,1700 L1.1@2106.85,1831.06
  Bottom Layer w20: 2089.45,1545 2088.71,1545.74 ; v1@2101.81,1572.64 2101.81,1558.84 ; v1@1931.18,1560 2074.45,1560 ; v1@1931.18,1560 v1(1926.81,1560) 1926.81,1540 1946.5,1520.31 2077.13,1520.31 2101.81,1545 ; v1@1931.18,1560 v1@1946.18,1545 ; v1@1946.18,1545 1956.18,1535 2077.97,1535 2088.71,1545.74 ; v1@1946.18,1545 2059.45,1545 2060.19,1545.74 ; 2060.19,1545.74 2074.45,1560 ; 2060.19,1545.74 2088.71,1545.74 ; 2074.45,1560 2084.45,1570 ; 2074.45,1560 2088.71,1545.74 ; 2084.45,1570 v1(2094.45,1580) v1(2114.45,1600) 2114.45,1557.64 2101.81,1545 ; 2084.45,1570 2090.65,1570 2101.81,1558.84 ; 2088.71,1545.74 2101.81,1558.84 ; 2101.81,1545 2101.81,1558.84
  other v1: 1951.18,1535
KNEADPHASE: R31.1 TP29.1 U5.20 | length 239.4
  Top Layer w12: U5.20@1982.09,1229.53 1982.09,1160.35 R31.1@2102.44,1040
KNEADRESET: R34.1 TP32.1 U5.16 U5.17 | length 357.9
  Top Layer w12: R34.1@1791.17,1044.96 1791.17,1084.36 1879.72,1172.91 ; 1879.72,1172.91 1892.44,1185.63 ; 1879.72,1172.91 U5.16@1879.72,1229.53 1892.44,1229.53 ; 1892.44,1185.63 1905.31,1198.5 U5.17@1905.31,1229.53 1892.44,1229.53 ; 1892.44,1185.63 1892.44,1229.53
MASSAGE_CONTROL: R27.2 TP18.1 U4.1 | length 254.5
  Top Layer w12: R27.2@2211.81,485 2246.81,485 2281.81,520 U4.1@2281.81,690
MASSAGE_RX: C24.2 R25.2 U4.3 | length 388.6
  Top Layer w12: R25.2@2211.81,415 C24.2@2291.81,415 2352.99,476.18 2352.99,573.82 2332.99,593.82 U4.3@2332.99,690
MASSAGE_TX: C23.1 R26.2 U4.2 | length 320.2
  Top Layer w12: C23.1@2211.37,623.82 R26.2@2211.37,554.25 v1(2246.06,554.25) ; U4.2@2307.4,690 2307.4,569.41 v1(2321.81,555)
  Bottom Layer w12: v1@2246.81,555 v1(2321.81,555)
NetC1_1: C1.1 R6.2 R14.1 | length 140
  Top Layer w15: R6.2@1591.81,415 C1.1@1591.81,480 R14.1@1591.81,555
NetC3_2: C3.2 R5.2 R15.1 | length 135
  Top Layer w15: R5.2@1391.81,415 C3.2@1391.81,480 R15.1@1391.81,550
NetC5_1: C5.1 C6.1 R23.2 U3.1 | length 607.7
  Top Layer w25: R23.2@921.65,1250 921.65,950.79 C5.1@922.44,950 922.44,860 962.44,820 C6.1@1042.44,820 U3.1@1103.45,820
  Top Layer w40: U3.1@1103.45,820 U3.1@1117.44,834
NetC14_1: C14.1 R39.2 U5.6 U5.9 | length 1258.9
  Top Layer w12: R39.2@1862.44,1675 1862.44,1674.65 1982.09,1555 ; R39.2@1893.63,1653.18 1915,1631.81 ; R39.2@1893.63,1668.18 1941.81,1620 ; R39.2@1893.63,1680.21 1941.81,1632.03 1941.81,1620 ; U5.9@1982.09,1450 1982.09,1555 ; U5.6@2058.86,1450 v1(2058.86,1607.95) ; 1915,1631.81 1941.81,1605 ; 1915,1631.81 1923.67,1631.81 1941.81,1613.67 ; 1941.81,1605 1941.81,1613.67 ; 1941.81,1605 1981.52,1565.29 ; 1941.81,1613.67 1941.81,1620 ; 1941.81,1613.67 1981.52,1573.97 1981.52,1565.29 ; 1981.52,1565.29 1982.09,1564.72 1982.09,1555
  Top Layer w20: C14.1@1771.81,1680 1857.44,1680 R39.2@1862.44,1675
  Bottom Layer w20: v1(1911.81,1645) 1913.73,1646.92 1926.92,1646.92 1965.89,1607.95 v1(2058.86,1607.95) 2046.81,1595.91 1960.91,1595.91 v1(1930,1626.81) v1(1911.81,1645)
NetC17_1: C17.1 L3.1 U5.4 | length 521.9
  Top Layer w12: U5.4@2110.04,1450 2110.04,1520 ; C17.1@2196.81,1620 2156.81,1580 ; C17.1@2201.81,1611.77 2110.04,1520 ; 2209.31,1647.5 2156.81,1595 2156.81,1580 ; 2110.04,1520 2110.04,1533.23 2156.81,1580
  Top Layer w40: C17.1@2201.81,1620 2266.81,1685 L3.1@2266.81,1690
NetC17_2: C17.2 U5.3 | length 151.2
  Top Layer w12: U5.3@2135.63,1450 2135.63,1498.82 2176.81,1540 ; C17.2@2191.81,1540 2176.81,1540 ; C17.2@2201.81,1550 2186.81,1550 2176.81,1540
NetC18_1: C18.1 U5.2 | length 142.9
  Top Layer w12: U5.2@2161.22,1450 2161.22,1488.3 2182.92,1510 C18.1@2256.81,1510
NetC18_2: C18.2 U5.1 | length 60
  Top Layer w12: U5.1@2186.81,1450 C18.2@2246.81,1450